# KiCad board RV523_CellTestBoard.final.kicad_pcb (continued)
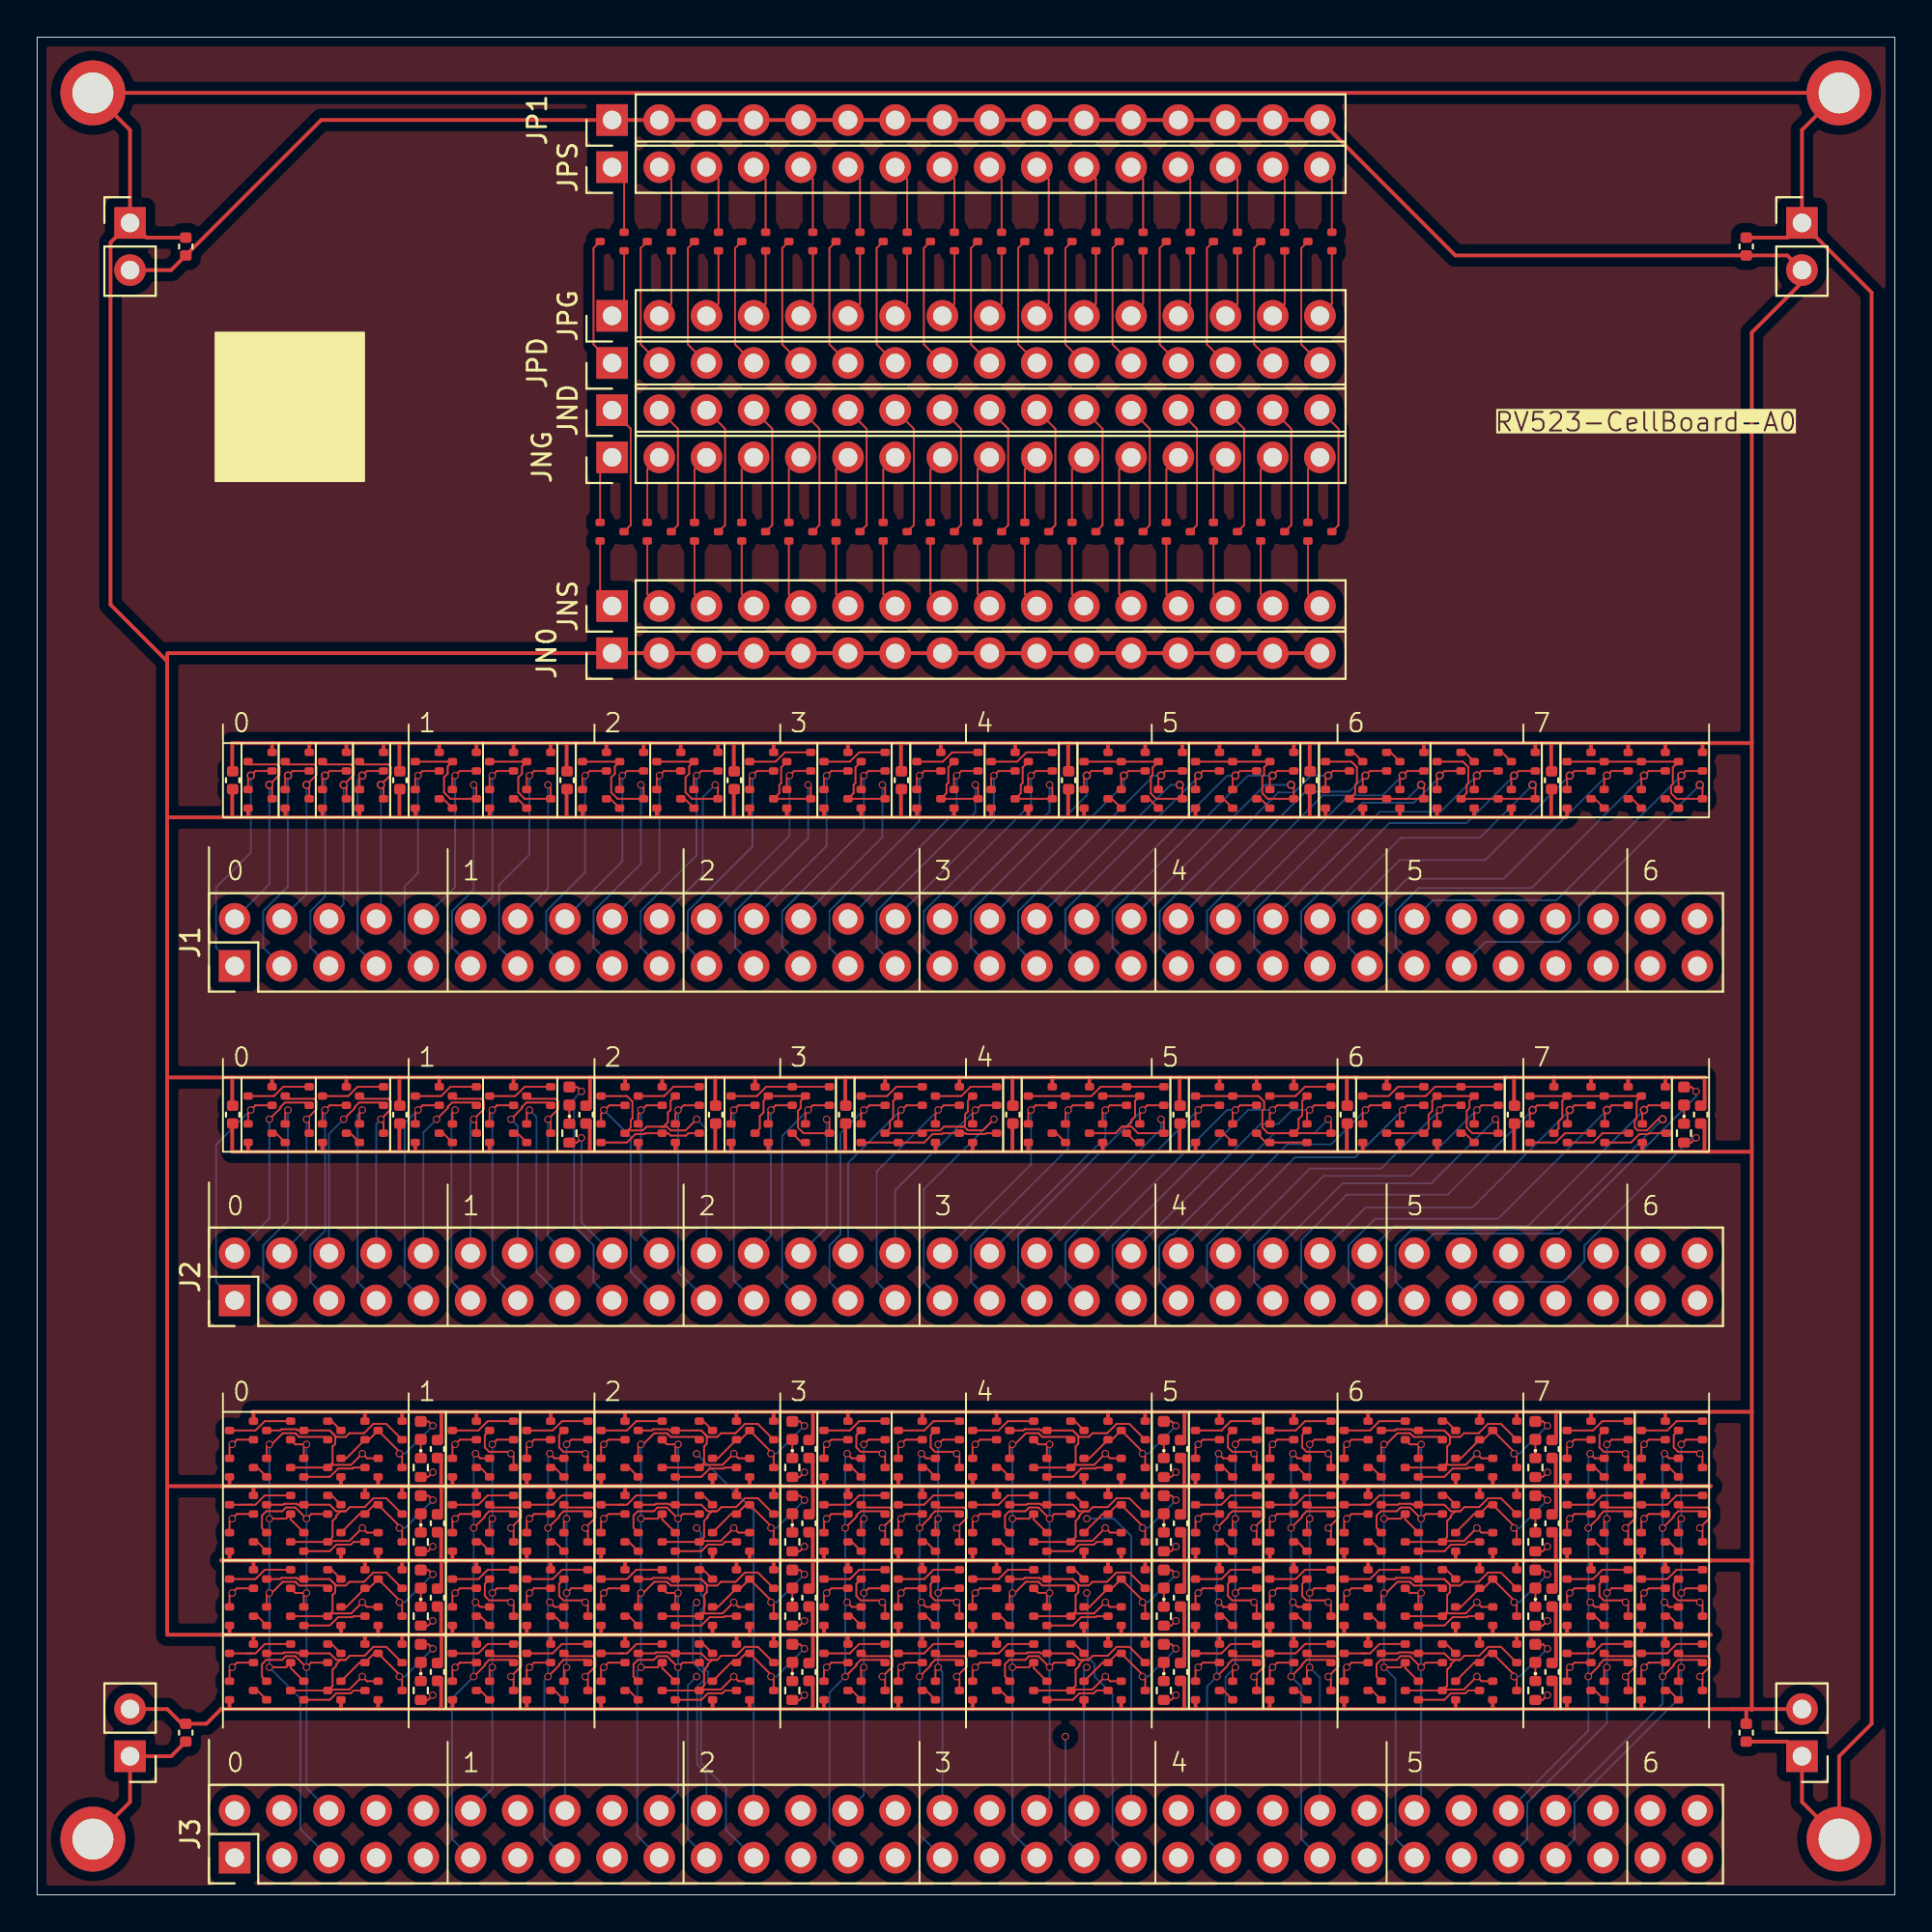
[diagram p0: board, top side]
## Routing (per net, layer and track width the routed paths; a pad name or vN(x,y) marks a point on that pad's centre or on a via; arc(x,y) is an arc through that point) (continued)
  Bottom w0.1: J3.6 14.5,5.75 v2(14.5,12.25) v2(14.5,16.25) v2(14.5,20.25) v2(14.5,24.25)
J3pins.11: length 29.6
  Top w0.1: v2(23.6,15.75) 23.85,15.5 genblk2[0].genblk1[2].R1.N2.1 ; genblk2[0].genblk1[1].R1.N2.1 25.5,20.65 24.33,20.65 24.1,20.42 24.1,20.35 v2(23.5,19.75) ; v2(23.5,11.75) 24.1,12.35 24.1,12.42 24.33,12.65 25.5,12.65 genblk2[0].genblk1[3].R1.N2.1 ; genblk2[0].genblk1[0].R1.N2.1 23.85,23.5 v2(23.6,23.75)
  Bottom w0.1: J3.11 22.33,3 22.33,10.58 v2(23.5,11.75) v2(23.5,19.75) 23.5,23.75
J3pins.12: length 24.3
  Top w0.1: genblk2[0].genblk1[3].R1.P2.1 24.36,12.11 v2(24.5,12.25) ; genblk2[0].genblk1[2].R1.P2.1 24.75,16.5 v2(24.5,16.25) ; v2(24.5,20.25) 24.36,20.11 genblk2[0].genblk1[1].R1.P2.1 ; v2(24.5,24.25) 24.75,24.5 genblk2[0].genblk1[0].R1.P2.1
  Bottom w0.1: v2(24.5,24.25) v2(24.5,20.25) v2(24.5,16.25) v2(24.5,12.25) 24.5,5.71 J3.12
J3pins.15: length 29.2
  Top w0.1: genblk2[0].genblk1[3].R2.N2.1 29.5,12.65 28.33,12.65 28.1,12.42 28.1,12.35 v2(27.5,11.75) ; v2(27.5,19.75) 28.1,20.35 28.1,20.42 28.33,20.65 29.5,20.65 genblk2[0].genblk1[1].R2.N2.1 ; genblk2[0].genblk1[0].R2.N2.1 27.85,23.5 v2(27.6,23.75) ; v2(27.6,15.75) 27.85,15.5 genblk2[0].genblk1[2].R2.N2.1
  Bottom w0.1: J3.15 27.3,3.11 27.3,11.55 v2(27.5,11.75) v2(27.5,19.75) 27.5,23.75
J3pins.16: length 23.9
  Top w0.1: v2(28.5,20.25) 28.36,20.11 genblk2[0].genblk1[1].R2.P2.1 ; v2(28.5,12.25) 28.36,12.11 genblk2[0].genblk1[3].R2.P2.1 ; genblk2[0].genblk1[0].R2.P2.1 28.75,24.5 v2(28.5,24.25) ; v2(28.5,16.25) 28.75,16.5 genblk2[0].genblk1[2].R2.P2.1
  Bottom w0.1: v2(28.5,24.25) v2(28.5,20.25) v2(28.5,16.25) v2(28.5,12.25) 28.41,12.16 J3.16
J3pins.19: length 36.6
  Top w0.1: genblk2[1].genblk1[0].L.NOT1.N2.1 32.35,24.11 v2(32.5,24.25) 32.62,24.25 33.22,24.85 33.89,24.85 33.95,24.8 33.95,24.8 34.1,24.65 35.5,24.65 genblk2[1].genblk1[0].L.NOT3.P2.1 ; v2(32.5,12.25) 33.4,12.25 genblk2[1].genblk1[3].L.NOT1.N2.1 33.65,12.21 genblk2[1].genblk1[3].L.NOT3.P2.1 ; v2(32.5,20.25) 33.4,20.25 genblk2[1].genblk1[1].L.NOT1.N2.1 33.65,20.21 genblk2[1].genblk1[1].L.NOT3.P2.1 ; genblk2[1].genblk1[2].L.NOT1.N2.1 32.35,16.11 v2(32.5,16.25) 32.62,16.25 33.22,16.85 33.89,16.85 33.95,16.8 33.95,16.8 34.1,16.65 35.5,16.65 genblk2[1].genblk1[2].L.NOT3.P2.1
  Bottom w0.1: J3.19 32.3,3.19 32.3,12.05 v2(32.5,12.25) v2(32.5,16.25) v2(32.5,20.25) v2(32.5,24.25)
J3pins.20: length 33.9
  Top w0.1: genblk2[1].genblk1[1].L.NOT1.P2.1 32.1,19.76 32.1,20.42 32.33,20.65 33.19,20.65 33.39,20.85 33.9,20.85 34.5,20.25 v2(34.5,20.25) 34.75,20.5 genblk2[1].genblk1[1].L.NOT3.N2.1 ; genblk2[1].genblk1[0].L.NOT3.N2.1 34.35,24.11 v2(34.5,24.25) 33.9,24.25 genblk2[1].genblk1[0].L.NOT1.P2.1 ; genblk2[1].genblk1[3].L.NOT1.P2.1 32.1,11.76 32.1,12.42 32.33,12.65 33.19,12.65 33.39,12.85 33.9,12.85 34.5,12.25 v2(34.5,12.25) 34.75,12.5 genblk2[1].genblk1[3].L.NOT3.N2.1 ; genblk2[1].genblk1[2].L.NOT3.N2.1 34.35,16.11 v2(34.5,16.25) 33.9,16.25 genblk2[1].genblk1[2].L.NOT1.P2.1
  Bottom w0.1: v2(34.5,24.25) v2(34.5,20.25) v2(34.5,16.25) v2(34.5,12.25) 34.5,5.55 J3.20
J3pins.27: length 29.5
  Top w0.1: genblk2[1].genblk1[0].R1.N2.1 43.85,23.5 v2(43.6,23.75) ; genblk2[1].genblk1[3].R1.N2.1 45.5,12.65 44.33,12.65 44.1,12.42 44.1,12.35 v2(43.5,11.75) ; v2(43.5,19.75) 44.1,20.35 44.1,20.42 44.33,20.65 45.5,20.65 genblk2[1].genblk1[1].R1.N2.1 ; genblk2[1].genblk1[2].R1.N2.1 43.85,15.5 v2(43.6,15.75)
  Bottom w0.1: J3.27 42.65,3 42.65,10.9 v2(43.5,11.75) v2(43.5,19.75) 43.5,23.75
J3pins.28: length 24.2
  Top w0.1: genblk2[1].genblk1[1].R1.P2.1 44.35,20.11 v2(44.5,20.25) ; v2(44.5,16.25) 44.75,16.5 genblk2[1].genblk1[2].R1.P2.1 ; v2(44.5,12.25) 44.35,12.11 genblk2[1].genblk1[3].R1.P2.1 ; genblk2[1].genblk1[0].R1.P2.1 44.75,24.5 v2(44.5,24.25)
  Bottom w0.1: v2(44.5,24.25) v2(44.5,20.25) v2(44.5,16.25) v2(44.5,12.25) 44.5,5.39 J3.28
J3pins.31: length 29.2
  Top w0.1: genblk2[1].genblk1[0].R2.N2.1 47.85,23.5 v2(47.6,23.75) ; genblk2[1].genblk1[1].R2.N2.1 49.5,20.65 48.33,20.65 48.1,20.42 48.1,20.35 v2(47.5,19.75) ; genblk2[1].genblk1[3].R2.N2.1 49.5,12.65 48.33,12.65 48.1,12.42 48.1,12.35 v2(47.5,11.75) ; genblk2[1].genblk1[2].R2.N2.1 47.85,15.5 v2(47.6,15.75)
  Bottom w0.1: J3.31 47.5,3.23 v2(47.5,11.75) v2(47.5,19.75) 47.5,23.75
J3pins.32: length 23.9
  Top w0.1: v2(48.5,20.25) 48.35,20.11 genblk2[1].genblk1[1].R2.P2.1 ; genblk2[1].genblk1[0].R2.P2.1 48.75,24.5 v2(48.5,24.25) ; genblk2[1].genblk1[3].R2.P2.1 48.35,12.11 v2(48.5,12.25) ; v2(48.5,16.25) 48.75,16.5 genblk2[1].genblk1[2].R2.P2.1
  Bottom w0.1: v2(48.5,24.25) v2(48.5,20.25) v2(48.5,16.25) v2(48.5,12.25) 48.73,12.02 J3.32
J3pins.35: length 36.6
  Top w0.1: v2(52.5,20.25) 53.4,20.25 genblk2[2].genblk1[1].L.NOT1.N2.1 53.65,20.21 genblk2[2].genblk1[1].L.NOT3.P2.1 ; genblk2[2].genblk1[0].L.NOT1.N2.1 52.35,24.11 v2(52.5,24.25) 52.62,24.25 53.22,24.85 53.89,24.85 53.95,24.8 53.95,24.8 54.1,24.65 55.5,24.65 genblk2[2].genblk1[0].L.NOT3.P2.1 ; genblk2[2].genblk1[2].L.NOT3.P2.1 55.5,16.65 54.1,16.65 53.95,16.8 53.95,16.8 53.89,16.85 53.22,16.85 52.62,16.25 v2(52.5,16.25) 52.35,16.11 genblk2[2].genblk1[2].L.NOT1.N2.1 ; v2(52.5,12.25) 53.4,12.25 genblk2[2].genblk1[3].L.NOT1.N2.1 53.65,12.21 genblk2[2].genblk1[3].L.NOT3.P2.1
  Bottom w0.1: v2(52.5,24.25) v2(52.5,20.25) v2(52.5,16.25) v2(52.5,12.25) 52.5,3.31 J3.35
J3pins.36: length 33.7
  Top w0.1: genblk2[2].genblk1[1].L.NOT3.N2.1 54.75,20.5 v2(54.5,20.25) 54.5,20.25 53.9,20.85 53.39,20.85 53.19,20.65 52.33,20.65 52.1,20.42 52.1,19.76 genblk2[2].genblk1[1].L.NOT1.P2.1 ; genblk2[2].genblk1[2].L.NOT3.N2.1 54.35,16.11 v2(54.5,16.25) 53.9,16.25 genblk2[2].genblk1[2].L.NOT1.P2.1 ; genblk2[2].genblk1[0].L.NOT3.N2.1 54.35,24.11 v2(54.5,24.25) 53.9,24.25 genblk2[2].genblk1[0].L.NOT1.P2.1 ; genblk2[2].genblk1[3].L.NOT3.N2.1 54.75,12.5 v2(54.5,12.25) 54.5,12.25 53.9,12.85 53.39,12.85 53.19,12.65 52.33,12.65 52.1,12.42 52.1,11.76 genblk2[2].genblk1[3].L.NOT1.P2.1
  Bottom w0.1: v2(54.5,24.25) v2(54.5,20.25) v2(54.5,16.25) v2(54.5,12.25) 54.5,5.23 J3.36
J3pins.43: length 29.3
  Top w0.1: genblk2[2].genblk1[1].R1.N2.1 65.5,20.65 64.33,20.65 64.1,20.42 64.1,20.35 v2(63.5,19.75) ; genblk2[2].genblk1[2].R1.N2.1 63.85,15.5 v2(63.6,15.75) ; v2(63.5,11.75) 64.1,12.35 64.1,12.42 64.33,12.65 65.5,12.65 genblk2[2].genblk1[3].R1.N2.1 ; genblk2[2].genblk1[0].R1.N2.1 63.85,23.5 v2(63.6,23.75)
  Bottom w0.1: J3.43 62.97,3 62.97,11.22 v2(63.5,11.75) v2(63.5,19.75) 63.5,23.75
J3pins.44: length 24
  Top w0.1: v2(64.5,20.25) 64.36,20.11 genblk2[2].genblk1[1].R1.P2.1 ; genblk2[2].genblk1[3].R1.P2.1 64.36,12.11 v2(64.5,12.25) ; genblk2[2].genblk1[0].R1.P2.1 64.75,24.5 v2(64.5,24.25) ; genblk2[2].genblk1[2].R1.P2.1 64.75,16.5 v2(64.5,16.25)
  Bottom w0.1: v2(64.5,24.25) v2(64.5,20.25) v2(64.5,16.25) v2(64.5,12.25) 63.97,11.72 J3.44
J3pins.47: length 29.3
  Top w0.1: genblk2[2].genblk1[1].R2.N2.1 69.5,20.65 68.33,20.65 68.1,20.42 68.1,20.35 v2(67.5,19.75) ; v2(67.6,23.75) 67.85,23.5 genblk2[2].genblk1[0].R2.N2.1 ; v2(67.5,11.75) 68.1,12.35 68.1,12.42 68.33,12.65 69.5,12.65 genblk2[2].genblk1[3].R2.N2.1 ; genblk2[2].genblk1[2].R2.N2.1 67.85,15.5 v2(67.6,15.75)
  Bottom w0.1: 67.5,23.75 v2(67.5,19.75) v2(67.5,11.75) 68.05,11.2 68.05,3 J3.47
J3pins.48: length 24.1
  Top w0.1: v2(68.5,20.25) 68.36,20.11 genblk2[2].genblk1[1].R2.P2.1 ; v2(68.5,12.25) 68.36,12.11 genblk2[2].genblk1[3].R2.P2.1 ; genblk2[2].genblk1[2].R2.P2.1 68.75,16.5 v2(68.5,16.25) ; v2(68.5,24.25) 68.75,24.5 genblk2[2].genblk1[0].R2.P2.1
  Bottom w0.1: J3.48 69.05,11.7 v2(68.5,12.25) v2(68.5,16.25) v2(68.5,20.25) v2(68.5,24.25)
J3pins.51: length 36.7
  Top w0.1: genblk2[3].genblk1[1].L.NOT3.P2.1 73.64,20.21 genblk2[3].genblk1[1].L.NOT1.N2.1 73.39,20.25 v2(72.5,20.25) ; genblk2[3].genblk1[2].L.NOT1.N2.1 72.36,16.11 v2(72.5,16.25) 72.62,16.25 73.22,16.85 73.89,16.85 73.95,16.8 73.95,16.8 74.1,16.65 75.5,16.65 genblk2[3].genblk1[2].L.NOT3.P2.1 ; genblk2[3].genblk1[3].L.NOT3.P2.1 73.64,12.21 genblk2[3].genblk1[3].L.NOT1.N2.1 73.39,12.25 v2(72.5,12.25) ; genblk2[3].genblk1[0].L.NOT1.N2.1 72.36,24.11 v2(72.5,24.25) 72.62,24.25 73.22,24.85 73.89,24.85 73.95,24.8 73.95,24.8 74.1,24.65 75.5,24.65 genblk2[3].genblk1[0].L.NOT3.P2.1
  Bottom w0.1: J3.51 73.13,3 73.13,11.62 v2(72.5,12.25) v2(72.5,16.25) v2(72.5,20.25) v2(72.5,24.25)
J3pins.52: length 33.6
  Top w0.1: genblk2[3].genblk1[3].L.NOT3.N2.1 74.75,12.5 v2(74.5,12.25) 74.5,12.25 73.9,12.85 73.39,12.85 73.19,12.65 72.33,12.65 72.1,12.42 72.1,11.76 genblk2[3].genblk1[3].L.NOT1.P2.1 ; genblk2[3].genblk1[0].L.NOT3.N2.1 74.36,24.11 v2(74.5,24.25) 73.89,24.25 genblk2[3].genblk1[0].L.NOT1.P2.1 ; genblk2[3].genblk1[1].L.NOT3.N2.1 74.75,20.5 v2(74.5,20.25) 74.5,20.25 73.9,20.85 73.39,20.85 73.19,20.65 72.33,20.65 72.1,20.42 72.1,19.76 genblk2[3].genblk1[1].L.NOT1.P2.1 ; genblk2[3].genblk1[2].L.NOT3.N2.1 74.36,16.11 v2(74.5,16.25) 73.89,16.25 genblk2[3].genblk1[2].L.NOT1.P2.1
  Bottom w0.1: J3.52 74.5,4.91 v2(74.5,12.25) v2(74.5,16.25) v2(74.5,20.25) v2(74.5,24.25)
J3pins.55: length 28.6
  Top w0.1: v2(84.5,24.25) 84.75,24.5 genblk2[3].genblk1[0].R1.P2.1 ; genblk2[3].genblk1[2].R1.P2.1 84.75,16.5 v2(84.5,16.25) ; genblk2[3].genblk1[3].R1.P2.1 84.36,12.11 v2(84.5,12.25) ; v2(84.5,20.25) 84.36,20.11 genblk2[3].genblk1[1].R1.P2.1
  Bottom w0.1: v2(84.5,24.25) v2(84.5,20.25) v2(84.5,16.25) v2(84.5,12.25) 84.5,9.24 80.21,4.95 80.21,3 J3.55
J3pins.56: length 27.9
  Top w0.1: genblk2[3].genblk1[1].R1.N2.1 85.5,20.65 84.33,20.65 84.1,20.42 84.1,20.35 v2(83.5,19.75) ; v2(83.6,15.75) 83.85,15.5 genblk2[3].genblk1[2].R1.N2.1 ; genblk2[3].genblk1[3].R1.N2.1 85.5,12.65 84.33,12.65 84.1,12.42 84.1,12.35 v2(83.5,11.75) ; genblk2[3].genblk1[0].R1.N2.1 83.85,23.5 v2(83.6,23.75)
  Bottom w0.1: J3.56 83.5,8.83 v2(83.5,11.75) v2(83.5,19.75) 83.5,23.75
J3pins.57: length 29.2
  Top w0.1: genblk2[3].genblk1[0].R2.P2.1 88.75,24.5 v2(88.5,24.25) ; v2(88.5,16.25) 88.75,16.5 genblk2[3].genblk1[2].R2.P2.1 ; v2(88.5,20.25) 88.36,20.11 genblk2[3].genblk1[1].R2.P2.1 ; v2(88.5,12.25) 88.36,12.11 genblk2[3].genblk1[3].R2.P2.1
  Bottom w0.1: J3.57 82.75,3 82.75,4.95 88.5,10.7 v2(88.5,12.25) v2(88.5,16.25) v2(88.5,20.25) v2(88.5,24.25)
J3pins.58: length 28.5
  Top w0.1: genblk2[3].genblk1[2].R2.N2.1 87.85,15.5 v2(87.6,15.75) ; v2(87.6,23.75) 87.85,23.5 genblk2[3].genblk1[0].R2.N2.1 ; v2(87.5,19.75) 88.1,20.35 88.1,20.42 88.33,20.65 89.5,20.65 genblk2[3].genblk1[1].R2.N2.1 ; genblk2[3].genblk1[3].R2.N2.1 89.5,12.65 88.33,12.65 88.1,12.42 88.1,12.35 v2(87.5,11.75)
  Bottom w0.1: 87.5,23.75 v2(87.5,19.75) v2(87.5,11.75) 87.5,10.29 J3.58
J3pins[21]: length 89.8
  Top w0.1: genblk2[2].genblk1[3].R1.P2.3 65.64,11.61 v2(65.5,11.75) 66.05,12.3 66.05,12.7 65.9,12.85 64.5,12.85 genblk2[2].genblk1[3].R1.N2.3 ; genblk2[3].genblk1[3].R1.P2.3 85.64,11.61 v2(85.5,11.75) 86.05,12.3 86.05,12.7 85.9,12.85 84.5,12.85 genblk2[3].genblk1[3].R1.N2.3 ; genblk2[0].genblk1[3].R1.N2.3 24.5,12.85 25.9,12.85 26.05,12.7 26.05,12.3 v2(25.5,11.75) 25.64,11.61 genblk2[0].genblk1[3].R1.P2.3 ; genblk2[1].genblk1[3].R1.N2.3 44.5,12.85 45.9,12.85 46.05,12.7 46.05,12.3 v2(45.5,11.75) 45.65,11.61 genblk2[1].genblk1[3].R1.P2.3
  In2.Cu w0.1: v2(35.5,11.75) 35.5,12.63 35.52,12.65 ; 35.52,12.65 26.12,12.65 25.5,12.03 v2(25.5,11.75) ; 35.52,12.65 43.53,12.65 44.43,11.75 v2(45.5,11.75) 45.5,12.03 45.56,11.97 45.65,11.97 46.33,12.65 50.67,12.65 51.47,11.85 57.03,11.85 57.83,12.65 63.53,12.65 64.43,11.75 v2(65.5,11.75) 65.5,11.82 66.33,12.65 83.53,12.65 84.43,11.75 v2(85.5,11.75)
  Bottom w0.1: v2(35.5,11.75) 35.03,11.28 35.03,3 J3.21
J3pins[22]: length 89.8
  Top w0.1: genblk2[3].genblk1[2].R1.N2.3 85.64,15.61 v2(85.5,15.75) 85.4,15.85 84.33,15.85 84.1,16.08 84.1,16.74 genblk2[3].genblk1[2].R1.P2.3 ; genblk2[1].genblk1[2].R1.N2.3 45.65,15.61 v2(45.5,15.75) 45.4,15.85 44.33,15.85 44.1,16.08 44.1,16.74 genblk2[1].genblk1[2].R1.P2.3 ; genblk2[0].genblk1[2].R1.P2.3 24.1,16.74 24.1,16.08 24.33,15.85 25.4,15.85 v2(25.5,15.75) 25.64,15.61 genblk2[0].genblk1[2].R1.N2.3 ; genblk2[2].genblk1[2].R1.N2.3 65.64,15.61 v2(65.5,15.75) 65.4,15.85 64.33,15.85 64.1,16.08 64.1,16.74 genblk2[2].genblk1[2].R1.P2.3
  In2.Cu w0.1: 35.48,16.65 43.53,16.65 44.43,15.75 v2(45.5,15.75) 45.5,15.82 46.33,16.65 50.67,16.65 51.47,15.85 56.67,15.85 57.47,16.65 62.67,16.65 62.9,16.42 62.9,16.08 62.97,16.15 64.03,16.15 64.43,15.75 v2(65.5,15.75) 65.5,16.03 66.12,16.65 83.53,16.65 84.43,15.75 v2(85.5,15.75) ; 35.48,16.65 35.5,16.63 v2(35.5,15.74) ; 35.48,16.65 26.12,16.65 25.5,16.03 v2(25.5,15.75)
  Bottom w0.1: v2(35.5,15.74) 35.3,15.54 35.3,12.52 35.9,11.92 35.9,11.58 35.53,11.21 35.53,7.01 36.03,6.51 J3.22
J3pins[23]: length 99.1
  Top w0.1: genblk2[1].genblk1[1].R1.N2.3 44.5,20.85 45.9,20.85 46.05,20.7 46.05,20.3 v2(45.5,19.75) 45.65,19.61 genblk2[1].genblk1[1].R1.P2.3 ; genblk2[0].genblk1[1].R1.N2.3 24.5,20.85 25.9,20.85 26.05,20.7 26.05,20.3 v2(25.5,19.75) 25.64,19.61 genblk2[0].genblk1[1].R1.P2.3 ; genblk2[2].genblk1[1].R1.N2.3 64.5,20.85 65.9,20.85 66.05,20.7 66.05,20.3 v2(65.5,19.75) 65.64,19.61 genblk2[2].genblk1[1].R1.P2.3 ; genblk2[3].genblk1[1].R1.P2.3 85.64,19.61 v2(85.5,19.75) 86.05,20.3 86.05,20.7 85.9,20.85 84.5,20.85 genblk2[3].genblk1[1].R1.N2.3
  In2.Cu w0.1: v2(35.5,19.75) 35.5,20.65 ; 35.5,20.65 26.12,20.65 25.5,20.03 v2(25.5,19.75) ; 35.5,20.65 43.53,20.65 44.43,19.75 v2(45.5,19.75) 45.5,19.82 46.33,20.65 50.67,20.65 51.47,19.85 56.67,19.85 57.47,20.65 62.67,20.65 62.9,20.42 62.9,20.08 62.97,20.15 64.03,20.15 64.43,19.75 v2(65.5,19.75) 65.5,19.9 66.25,20.65 83.53,20.65 84.43,19.75 v2(85.5,19.75)
  Bottom w0.1: J3.23 37.08,3.49 37.08,5.75 36.23,6.6 36.23,6.6 35.73,7.1 35.73,11.13 36.1,11.5 36.1,12 35.73,12.37 35.73,15.33 35.95,15.55 35.95,15.93 35.73,16.15 35.73,19.52 v2(35.5,19.75)
J3pins[24]: length 97.5
  Top w0.1: genblk2[0].genblk1[0].R1.N2.3 25.64,23.61 v2(25.5,23.75) 25.4,23.85 24.33,23.85 24.1,24.08 24.1,24.74 genblk2[0].genblk1[0].R1.P2.3 ; genblk2[2].genblk1[0].R1.N2.3 65.64,23.61 v2(65.5,23.75) 65.4,23.85 64.33,23.85 64.1,24.08 64.1,24.74 genblk2[2].genblk1[0].R1.P2.3 ; genblk2[3].genblk1[0].R1.P2.3 84.1,24.74 84.1,24.08 84.33,23.85 85.4,23.85 v2(85.5,23.75) 85.64,23.61 genblk2[3].genblk1[0].R1.N2.3 ; genblk2[1].genblk1[0].R1.N2.3 45.65,23.61 v2(45.5,23.75) 45.4,23.85 44.33,23.85 44.1,24.08 44.1,24.74 genblk2[1].genblk1[0].R1.P2.3
  In2.Cu w0.1: v2(25.5,23.75) 25.5,24.03 26.12,24.65 35.52,24.65 ; v2(85.5,23.75) 84.43,23.75 83.53,24.65 66.33,24.65 65.5,23.82 ; 65.5,23.82 v2(65.5,23.75) ; 65.5,23.82 64.67,24.65 46.12,24.65 45.5,24.03 v2(45.5,23.75) 44.43,23.75 43.53,24.65 35.52,24.65 ; 35.52,24.65 35.5,24.63 v2(35.5,23.74)
  Bottom w0.1: v2(35.5,23.74) 38.57,20.67 J3.24
J3pins[37]: length 87.7
  Top w0.1: genblk2[3].genblk1[3].R2.P2.3 89.64,11.61 v2(89.5,11.75) 90.05,12.3 90.05,12.7 89.9,12.85 88.5,12.85 genblk2[3].genblk1[3].R2.N2.3 ; genblk2[1].genblk1[3].R2.N2.3 48.5,12.85 49.9,12.85 50.05,12.7 50.05,12.3 v2(49.5,11.75) 49.65,11.61 genblk2[1].genblk1[3].R2.P2.3 ; genblk2[0].genblk1[3].R2.P2.3 29.64,11.61 v2(29.5,11.75) 30.05,12.3 30.05,12.7 29.9,12.85 28.5,12.85 genblk2[0].genblk1[3].R2.N2.3 ; genblk2[2].genblk1[3].R2.N2.3 68.5,12.85 69.9,12.85 70.05,12.7 70.05,12.3 v2(69.5,11.75) 69.64,11.61 genblk2[2].genblk1[3].R2.P2.3
  In2.Cu w0.1: v2(55.35,8.52) 55.38,8.55 55.38,10.1 ; v2(29.5,11.75) 31.25,10 47.75,10 v2(49.5,11.75) 51.15,10.1 55.38,10.1 ; 55.38,10.1 67.85,10.1 v2(69.5,11.75) 70.9,10.35 88.1,10.35 v2(89.5,11.75)
  Bottom w0.1: J3.37 55.35,3 v2(55.35,8.52)
J3pins[38]: length 87
  Top w0.1: genblk2[1].genblk1[2].R2.P2.3 48.1,16.74 48.1,16.08 48.33,15.85 49.4,15.85 v2(49.5,15.75) 49.65,15.61 genblk2[1].genblk1[2].R2.N2.3 ; genblk2[3].genblk1[2].R2.N2.3 89.64,15.61 v2(89.5,15.75) 89.4,15.85 88.33,15.85 88.1,16.08 88.1,16.74 genblk2[3].genblk1[2].R2.P2.3 ; genblk2[2].genblk1[2].R2.P2.3 68.1,16.74 68.1,16.08 68.33,15.85 69.4,15.85 v2(69.5,15.75) 69.64,15.61 genblk2[2].genblk1[2].R2.N2.3 ; genblk2[0].genblk1[2].R2.N2.3 29.64,15.61 v2(29.5,15.75) 29.4,15.85 28.33,15.85 28.1,16.08 28.1,16.74 genblk2[0].genblk1[2].R2.P2.3
  In2.Cu w0.1: v2(29.5,15.75) 31.1,14.15 47.9,14.15 v2(49.5,15.75) 51.1,14.15 56.5,14.15 ; 56.5,14.15 67.9,14.15 v2(69.5,15.75) 70.9,14.35 88.1,14.35 v2(89.5,15.75) ; 56.5,14.15 v2(56.5,12.25)
  Bottom w0.1: J3.38 56.35,12.1 v2(56.5,12.25)
J3pins[39]: length 96.2
  Top w0.1: genblk2[0].genblk1[1].R2.P2.3 29.64,19.61 v2(29.5,19.75) 30.05,20.3 30.05,20.7 29.9,20.85 28.5,20.85 genblk2[0].genblk1[1].R2.N2.3 ; genblk2[2].genblk1[1].R2.N2.3 68.5,20.85 69.9,20.85 70.05,20.7 70.05,20.3 v2(69.5,19.75) 69.64,19.61 genblk2[2].genblk1[1].R2.P2.3 ; genblk2[3].genblk1[1].R2.N2.3 88.5,20.85 89.9,20.85 90.05,20.7 90.05,20.3 v2(89.5,19.75) 89.64,19.61 genblk2[3].genblk1[1].R2.P2.3 ; genblk2[1].genblk1[1].R2.N2.3 48.5,20.85 49.9,20.85 50.05,20.7 50.05,20.3 v2(49.5,19.75) 49.65,19.61 genblk2[1].genblk1[1].R2.P2.3
  In2.Cu w0.1: v2(29.5,19.75) 31.15,18.1 47.85,18.1 v2(49.5,19.75) 51.15,18.1 56.54,18.1 ; 56.54,18.1 56.5,18.06 v2(56.5,16.25) ; 56.54,18.1 67.85,18.1 v2(69.5,19.75) 70.9,18.35 88.1,18.35 v2(89.5,19.75)
  Bottom w0.1: J3.39 57.89,3 57.89,10.79 56.92,11.76 56.92,12.41 56.55,12.78 56.55,16.2 v2(56.5,16.25)
J3pins[40]: length 96.8
  Top w0.1: genblk2[2].genblk1[0].R2.N2.3 69.64,23.61 v2(69.5,23.75) 69.4,23.85 68.33,23.85 68.1,24.08 68.1,24.74 genblk2[2].genblk1[0].R2.P2.3 ; genblk2[3].genblk1[0].R2.P2.3 88.1,24.74 88.1,24.08 88.33,23.85 89.4,23.85 v2(89.5,23.75) 89.64,23.61 genblk2[3].genblk1[0].R2.N2.3 ; genblk2[0].genblk1[0].R2.P2.3 28.1,24.74 28.1,24.08 28.33,23.85 29.4,23.85 v2(29.5,23.75) 29.64,23.61 genblk2[0].genblk1[0].R2.N2.3 ; genblk2[1].genblk1[0].R2.N2.3 49.65,23.61 v2(49.5,23.75) 49.4,23.85 48.33,23.85 48.1,24.08 48.1,24.74 genblk2[1].genblk1[0].R2.P2.3
  In2.Cu w0.1: v2(56.5,20.25) 56.5,22.12 56.53,22.15 ; v2(29.5,23.75) 31.1,22.15 47.9,22.15 v2(49.5,23.75) 51.1,22.15 56.53,22.15 ; 56.53,22.15 67.9,22.15 v2(69.5,23.75) 70.9,22.35 88.1,22.35 v2(89.5,23.75)
  Bottom w0.1: J3.40 58.89,19.32 57.96,20.25 v2(56.5,20.25)
J3pins[61]: length 74.1
  Top w0.1: genblk2[3].genblk1[3].D.R.2 81.04,10.49 v2(81.3,10.75) ; v2(41.3,10.75) 41.04,10.49 genblk2[1].genblk1[3].D.R.2 ; v2(61.3,10.75) 61.04,10.49 genblk2[2].genblk1[3].D.R.2 ; v2(21.3,10.75) 21.04,10.49 genblk2[0].genblk1[3].D.R.2
  In1.Cu w0.1: v2(21.3,10.75) v2(41.3,10.75) v2(61.3,10.75) v2(81.3,10.75) 85.83,6.22 85.83,3 J3.61
J3pins[62]: length 75.5
  Top w0.1: v2(21.3,14.75) 21.04,14.49 genblk2[0].genblk1[2].D.R.2 ; genblk2[2].genblk1[2].D.R.2 61.04,14.49 v2(61.3,14.75) ; genblk2[1].genblk1[2].D.R.2 41.04,14.49 v2(41.3,14.75) ; genblk2[3].genblk1[2].D.R.2 81.04,14.49 v2(81.3,14.75)
  In1.Cu w0.1: J3.62 86.83,9.22 v2(81.3,14.75) v2(61.3,14.75) v2(41.3,14.75) v2(21.3,14.75)
J3pins[63]: length 83.1
  Top w0.1: genblk2[0].genblk1[1].D.R.2 21.04,18.49 v2(21.3,18.75) ; genblk2[1].genblk1[1].D.R.2 41.04,18.49 v2(41.3,18.75) ; v2(81.3,18.75) 81.04,18.49 genblk2[3].genblk1[1].D.R.2 ; genblk2[2].genblk1[1].D.R.2 61.04,18.49 v2(61.3,18.75)
  In1.Cu w0.1: J3.63 88.37,3 88.37,11.68 v2(81.3,18.75) v2(61.3,18.75) v2(41.3,18.75) v2(21.3,18.75)
J3pins[64]: length 85.7
  Top w0.1: v2(41.3,22.75) 41.04,22.49 genblk2[1].genblk1[0].D.R.2 ; v2(21.3,22.75) 21.04,22.49 genblk2[0].genblk1[0].D.R.2 ; v2(61.3,22.75) 61.04,22.49 genblk2[2].genblk1[0].D.R.2 ; v2(81.3,22.75) 81.04,22.49 genblk2[3].genblk1[0].D.R.2
  In1.Cu w0.1: v2(21.3,22.75) v2(41.3,22.75) 41.75,23.2 60.85,23.2 v2(61.3,22.75) v2(81.3,22.75) 90.22,13.83 90.22,5.39 J3.64
NAND2_1.int1: length 0.9
  Top w0.1: NAND2_1.N1.3 21.86,59 NAND2_1.N2.2
NAND2_2.int1: length 0.9
  Top w0.1: NAND2_2.N2.2 25.86,59 NAND2_2.N1.3
NAND2_3.int1: length 0.9
  Top w0.1: NAND2_3.N2.2 30.86,59 NAND2_3.N1.3
NAND2_4.int1: length 0.9
  Top w0.1: NAND2_4.N2.2 34.85,59 NAND2_4.N1.3
NAND3_1.int1: length 0.9
  Top w0.1: NAND3_1.N1.3 57.85,59 NAND3_1.N2.2
NAND3_1.int2: length 0.9
  Top w0.1: NAND3_1.N2.3 59.85,59 NAND3_1.N3.2
NAND3_2.int1: length 0.9
  Top w0.1: NAND3_2.N2.2 63.85,59 NAND3_2.N1.3
NAND3_2.int2: length 0.9
  Top w0.1: NAND3_2.N3.2 65.86,59 NAND3_2.N2.3
NAND4_1.int1: length 0.9
  Top w0.1: NAND4_1.N2.2 83.86,59 NAND4_1.N1.3
NAND4_1.int2: length 0.9
  Top w0.1: NAND4_1.N3.2 85.86,59 NAND4_1.N2.3
NAND4_1.int3: length 0.9
  Top w0.1: NAND4_1.N3.3 87.86,59 NAND4_1.N4.2
NDrains[1]: length 7.1
  Top w0.1: JND.1 31.95,78.92 31.95,73.74 genblk1[1].N.3
NDrains[2]: length 7.1
  Top w0.1: genblk1[2].N.3 34.49,73.74 34.49,78.92 JND.2
NDrains[3]: length 7.1
  Top w0.1: genblk1[3].N.3 37.03,73.74 37.03,78.92 JND.3
NDrains[4]: length 7.1
  Top w0.1: genblk1[4].N.3 39.57,73.74 39.57,78.92 JND.4
NDrains[5]: length 7.1
  Top w0.1: genblk1[5].N.3 42.11,73.74 42.11,78.92 JND.5
NDrains[6]: length 7.1
  Top w0.1: genblk1[6].N.3 44.65,73.74 44.65,78.92 JND.6
NDrains[7]: length 7.1
  Top w0.1: JND.7 47.19,78.92 47.19,73.74 genblk1[7].N.3
NDrains[8]: length 7.1
  Top w0.1: genblk1[8].N.3 49.73,73.74 49.73,78.92 JND.8
NDrains[9]: length 7.1
  Top w0.1: genblk1[9].N.3 52.27,73.74 52.27,78.92 JND.9
NDrains[10]: length 7.1
  Top w0.1: JND.10 54.81,78.92 54.81,73.74 genblk1[10].N.3
NDrains[11]: length 7.1
  Top w0.1: genblk1[11].N.3 57.35,73.74 57.35,78.92 JND.11
NDrains[12]: length 7.1
  Top w0.1: JND.12 59.89,78.92 59.89,73.74 genblk1[12].N.3
NDrains[13]: length 7.1
  Top w0.1: genblk1[13].N.3 62.43,73.74 62.43,78.92 JND.13
NDrains[14]: length 7.1
  Top w0.1: JND.14 64.97,78.92 64.97,73.74 genblk1[14].N.3
NDrains[15]: length 7.1
  Top w0.1: genblk1[15].N.3 67.51,73.74 67.51,78.92 JND.15
NDrains[16]: length 7.1
  Top w0.1: JND.16 70.05,78.92 70.05,73.74 genblk1[16].N.3
NGates[1]: length 3.8
  Top w0.1: JNG.1 30.3,76.73 genblk1[1].N.1
NGates[2]: length 3.8
  Top w0.1: genblk1[2].N.1 32.84,76.73 JNG.2
NGates[3]: length 3.8
  Top w0.1: genblk1[3].N.1 35.38,76.73 JNG.3
NGates[4]: length 3.8
  Top w0.1: genblk1[4].N.1 37.92,76.73 JNG.4
NGates[5]: length 3.8
  Top w0.1: JNG.5 40.47,76.73 genblk1[5].N.1
NGates[6]: length 3.8
  Top w0.1: JNG.6 43.01,76.73 genblk1[6].N.1
NGates[7]: length 3.8
  Top w0.1: JNG.7 45.55,76.73 genblk1[7].N.1
NGates[8]: length 3.8
  Top w0.1: genblk1[8].N.1 48.09,76.73 JNG.8
NGates[9]: length 3.8
  Top w0.1: genblk1[9].N.1 50.62,76.73 JNG.9
NGates[10]: length 3.8
  Top w0.1: JNG.10 53.16,76.73 genblk1[10].N.1
NGates[11]: length 3.8
  Top w0.1: genblk1[11].N.1 55.7,76.73 JNG.11
NGates[12]: length 3.8
  Top w0.1: genblk1[12].N.1 58.24,76.73 JNG.12
NGates[13]: length 3.8
  Top w0.1: genblk1[13].N.1 60.78,76.73 JNG.13
NGates[14]: length 3.8
  Top w0.1: genblk1[14].N.1 63.33,76.73 JNG.14
NGates[15]: length 3.8
  Top w0.1: JNG.15 65.86,76.73 65.86,73.88
NGates[16]: length 3.8
  Top w0.1: JNG.16 68.41,76.73 genblk1[16].N.1
NOR2_1.C: length 3.5
  Top w0.1: NOR2_1.P2.2 40.25,61.5 39.75,61 NOR2_1.P1.3
NOR2_2.C: length 3.5
  Top w0.1: NOR2_2.P2.2 44.25,61.5 43.75,61 NOR2_2.P1.3
NOR2_3.C: length 3.5
  Top w0.1: NOR2_3.P1.3 48.75,61 49.25,61.5 NOR2_3.P2.2
NOR2_4.C: length 3.5
  Top w0.1: NOR2_4.P1.3 52.75,61 53.25,61.5 NOR2_4.P2.2
NOR3_1.int1: length 0.9
  Top w0.1: NOR3_1.P1.2 70.86,61.5 NOR3_1.P2.3
NOR3_1.int2: length 0.9
  Top w0.1: NOR3_1.P2.2 72.86,61.5 NOR3_1.P3.3
NOR3_2.int1: length 0.9
  Top w0.1: NOR3_2.P1.2 76.86,61.5 NOR3_2.P2.3
NOR3_2.int2: length 0.9
  Top w0.1: NOR3_2.P3.3 78.86,61.5 NOR3_2.P2.2
NOR4_1.int1: length 3.5
  Top w0.1: NOR4_1.P1.2 81.75,40.5 82.25,41 NOR4_1.P2.3
NOR4_1.int2: length 3.5
  Top w0.1: NOR4_1.P3.3 84.26,41 83.76,40.5 NOR4_1.P2.2
NOR4_1.int3: length 3.5
  Top w0.1: NOR4_1.P3.2 85.8,40.5 86.25,40.95 86.74,40.95 86.79,41 NOR4_1.P4.3
NSources[1]: length 3.8
  Top w0.1: JNS.1 30.3,70.03 genblk1[1].N.2
NSources[2]: length 3.8
  Top w0.1: JNS.2 32.84,70.03 genblk1[2].N.2
NSources[3]: length 3.8
  Top w0.1: JNS.3 35.38,70.03 genblk1[3].N.2
NSources[4]: length 3.8
  Top w0.1: genblk1[4].N.2 37.92,70.03 JNS.4
NSources[5]: length 3.8
  Top w0.1: JNS.5 40.47,70.03 genblk1[5].N.2
NSources[6]: length 3.8
  Top w0.1: JNS.6 43.01,70.03 genblk1[6].N.2
NSources[7]: length 3.8
  Top w0.1: genblk1[7].N.2 45.55,70.03 JNS.7
NSources[8]: length 3.8
  Top w0.1: genblk1[8].N.2 48.09,70.03 JNS.8
NSources[9]: length 3.8
  Top w0.1: JNS.9 50.62,70.03 genblk1[9].N.2
NSources[10]: length 3.8
  Top w0.1: genblk1[10].N.2 53.16,70.03 JNS.10
NSources[11]: length 3.8
  Top w0.1: JNS.11 55.7,70.03 genblk1[11].N.2
NSources[12]: length 3.8
  Top w0.1: JNS.12 58.24,70.03 genblk1[12].N.2
NSources[13]: length 3.8
  Top w0.1: JNS.13 60.78,70.03 genblk1[13].N.2
NSources[14]: length 3.8
  Top w0.1: genblk1[14].N.2 63.33,70.03 JNS.14
NSources[15]: length 3.8
  Top w0.1: JNS.15 65.86,70.03 65.86,72.88
NSources[16]: length 3.8
  Top w0.1: JNS.16 68.41,70.03 genblk1[16].N.2
OAI21_1.intB: length 0.9
  Top w0.1: OAI21_1.P2.3 41.14,40.5 OAI21_1.P3.2
OAI21_1.intN: length 5.5
  Top w0.1: OAI21_1.N3.2 OAI21_1.N2.2 39.25,43.5 38.75,43 OAI21_1.N1.3
OAI22_1.intA: length 0.9
  Top w0.1: OAI22_1.P2.2 54.85,41 OAI22_1.P1.3
OAI22_1.intB: length 0.9
  Top w0.1: OAI22_1.P3.3 59.15,40.5 OAI22_1.P4.2
OAI22_1.intN: length 7.5
  Top w0.1: OAI22_1.N1.3 OAI22_1.N2.3 56.75,43 57.25,43.5 OAI22_1.N3.2 OAI22_1.N4.2
